# Allegro board FRDM-A-S32K356_PCBLayout.brd (continued)
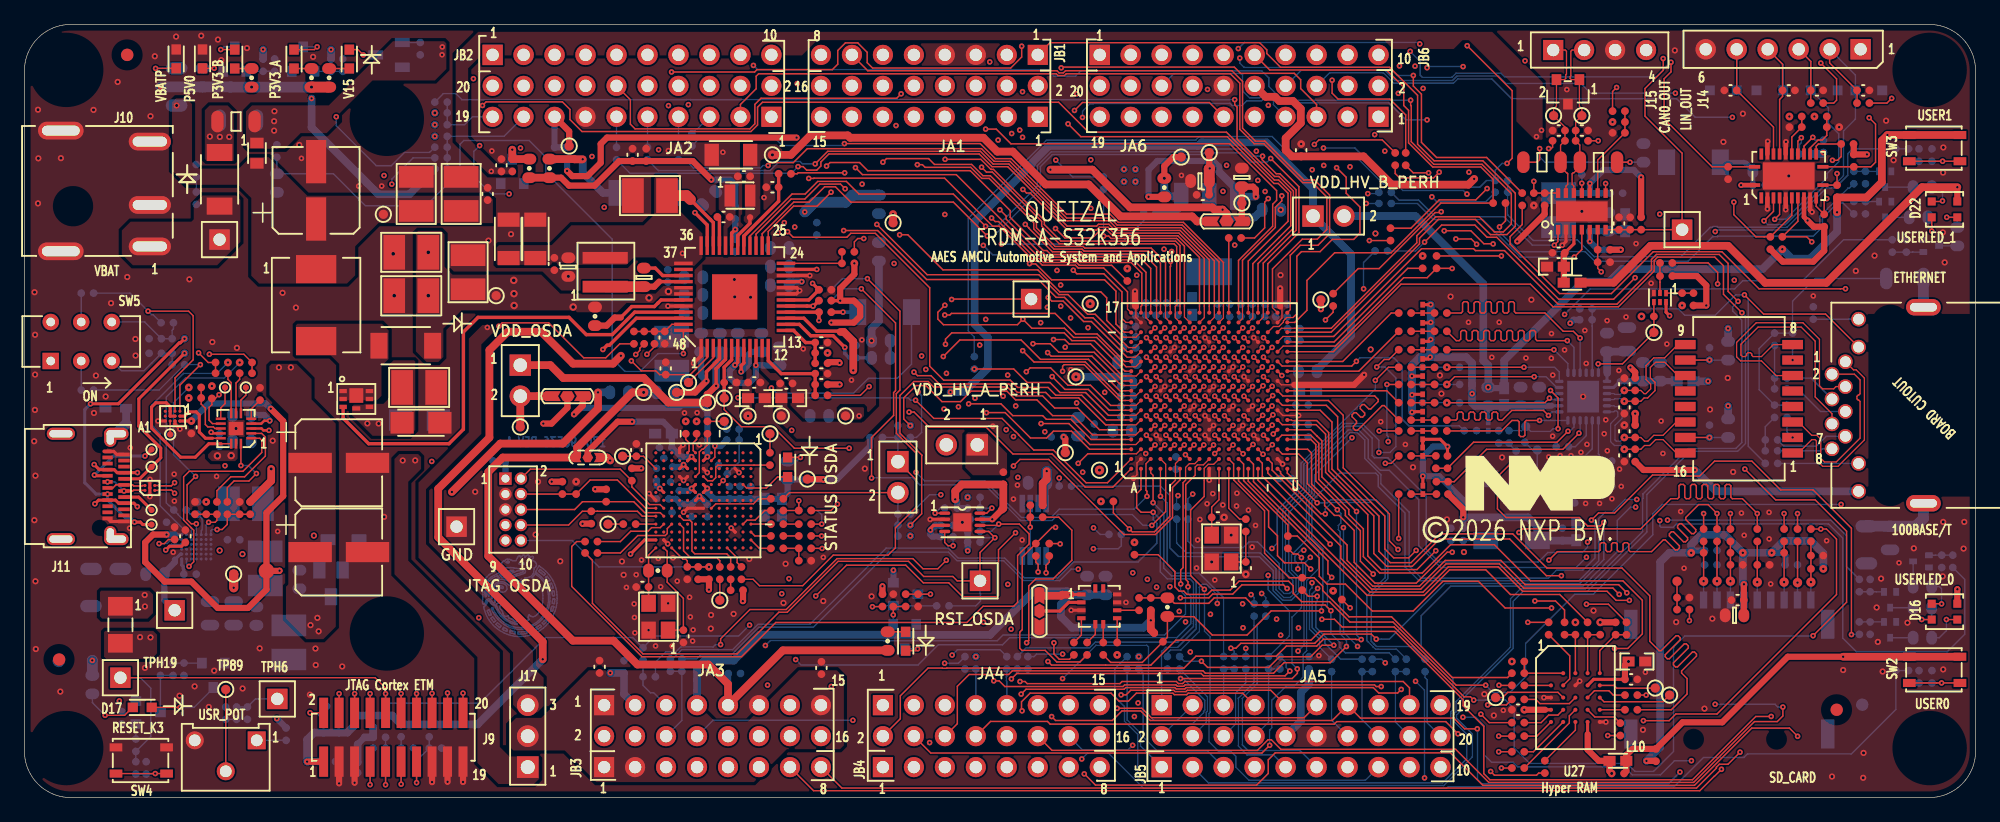
[diagram p0: board, top side]
## Routing (per net, layer and track width the routed paths; a pad name or vN(x,y) marks a point on that pad's centre or on a via; arc(x,y) is an arc through that point) (continued)
USER_SW0: length 96.5
  L3_INT_1 w0.127: v1(87.66,20.41) 87.66,17.55 88.23,16.97 88.23,12.83 86.96,11.56 86.96,3.43 v1(86.7,3.17)
  BOTTOM w0.118: R57.2 89.95,20.66 89.7,20.41 87.66,20.41 v1(87.66,20.41) ; v1(86.7,3.17) 87.18,3.65 88.88,3.65 91.76,0.76 116.62,0.76 116.74,0.88 135.27,0.88 137.68,3.29 141,3.29 141.29,3.58 149.81,3.58 153.46,7.23 C144.1 R343.2
USER_SW1: length 41.9
  BOTTOM w0.118: R76.1 R53.2 121.62,47.8 123.73,45.7 125.25,45.7 125.29,45.74 127.34,45.74 128.71,44.37 135.83,44.37 137.69,46.23 138.24,46.78 138.4,46.78 138.47,46.85 138.82,46.85 138.89,46.78 144.53,46.78 147.75,50 148.46,50 149.51,51.05 149.51,52.81 149.91,53.21 C147.1 R356.2
VBST_FB: length 8.1
  TOP w0.279: U1.43 52.21,40.82 51.94,40.56 51.94,40.56 51.66,40.28 49.8,40.28 48.9,39.38
  TOP w0.508: R20.2 47.74,38.72 48.4,39.38 48.9,39.38
VBST_G: length 40
  TOP w0.279: Q1.3 26.14,31.12 28.23,29.03 34.81,29.03 36,30.21 36,38.19 37.2,39.39 44.66,39.39 46.07,37.98 48.2,37.98 50.05,39.82 U1.45
VBST_ISH: length 7.7
  TOP w0.279: v1(47.43,36.75) 47.78,37.11 47.96,37.11 50.18,39.32 U1.46
  vias: v4(28.12,30.69) v4(29.05,30.68)
VLDO1_3V3: length 5.6
  BOTTOM w0.254: U3.A5 12.79,19.97 12.34,19.52
  BOTTOM w0.508: 12.34,19.52 12.34,19.32 11.47,18.46 C74.1 11.47,16.21 TPH23.1
VLDO_3V3: length 42.1
  TOP w0.254: U7.A3 13.68,30.89 v2(13.69,30.89)
  TOP w0.508: v2(11.66,21.58) 10.55,21.58 9.9,20.93 9.9,19.32 11.5,17.72 13.68,17.72 15.85,15.56 18.34,15.56 19.85,17.07 TP23.1 ; TP23.1 19.85,23.36 21.22,24.74 21.22,30.88 v1(20.2,31.9) ; TP23.1 20.9,18.6 v1(20.92,18.62)
  BOTTOM w0.254: 12.36,21.57 U3.A1
  BOTTOM w0.508: v2(13.69,30.89) 15.13,32.33 19.77,32.33 v1(20.2,31.9) ; v2(11.66,21.58) 12.35,21.58 12.36,21.57
VPRE_SW: length 6.6
  TOP w0.279: 52.05,42.32 U1.40
  TOP w0.508: 52.05,42.32 51.64,41.91 C19.2
  TOP w0.889: L2.1 C19.2
VRC_CTRL_MCU: length 8.4
  TOP w0.508: TP18.1 94.21,52.54 93.47,51.8 v3(93.47,50.8)
  BOTTOM w0.635: v3(93.47,50.8) 93.47,49.73 93.88,49.33 Q5.1 94.86,48.57 94.23,47.94 R79.1
VREFH_MCU: length 24
  TOP w0.127: U2.H6 v1(96,31.33)
  TOP w0.508: v1(63.32,54.14) 47.77,54.14 47.25,53.62 47.25,52.07 46.16,50.98 44.93,50.98 v1(44.5,51.41) ; v2(85.21,29.58) 85.35,29.44 TP132.1
  BOTTOM w0.508: v1(44.5,51.41) R404.1
VREG_OUT: length 17.5
  TOP w0.254: U8.G2 v1(56,27.96)
  TOP w0.508: SJ1.3 45.78,32.15 v1(45.07,31.44)
  BOTTOM w0.508: v1(45.07,31.44) 45.59,31.96 53.64,31.96 53.88,32.2 55.5,32.2 56,31.7 v1(56,27.96)
VSUP:
  vias: v1(38.29,51.37) v1(123.99,54.21) v1(124.4,54.74) v4(31.02,27.65) v4(32.05,27.66) v5(40.13,42.43) v5(40.15,41.33) v5(40.16,40.36) v5(45,40.24) v5(51.22,40.99) v5(52.81,41.52) v6(33.12,44.73) v6(33.12,41.17)
VTRG_FAULT_B: length 1.6
  TOP w0.118: R147.2 TP117.1
XI: length 2
  BOTTOM w0.118: Y3.3 C130.1 R248.2
XO: length 2.1
  BOTTOM w0.118: Y3.1 C129.1 R251.2
XTAL: length 5
  TOP w0.118: U2.L1 98.75,23.74 99.65,22.84 R80.1
N31247155: length 1.3
  BOTTOM w0.254: C72.1 13.07,18.71 13.02,18.77 13.02,18.96 12.9,19.08 U3.A6
N31247188: length 3.4
  TOP w0.254: C73.1 12.89,20.62 11.9,20.62 v1(11.59,20.31)
  BOTTOM w0.118: v1(11.59,20.31) 12.05,20.77 U3.A3
N31247252: length 3.4
  TOP w0.118: v1(11.05,20.83) 11.47,20.83 11.82,21.17 R86.2
  BOTTOM w0.118: U3.A2 12.54,21.17 12.43,21.06 11.93,21.06 11.71,20.83 v1(11.05,20.83)
N31247271: length 2.9
  BOTTOM w0.118: U3.E1 14.5,21.89 14.57,21.96 14.57,22.88 R88.2 13.62,23.24 R89.2
N31247503: length 1.8
  TOP w0.118: U4.5 18.6,31.88 R91.1
N31251642: length 1.2
  BOTTOM w0.118: C1.2 C9.1
N31251737: length 56.1
  TOP w0.118: v1(54.04,36.42) U1.48
  BOTTOM w0.118: R1.2 C10.1 25.33,51.17 27.96,48.55 32.92,48.55 35.72,51.35 35.72,53.59 36.02,53.9 41.39,53.9 42.75,52.54 42.75,51.26 48.2,45.81 48.2,36 49.23,34.97 50.49,34.97 51.95,36.42 v1(54.04,36.42)
N31252150: length 2.4
  TOP w0.118: v1(16.1,61.36) 16.66,61.36 16.67,61.35 D5.C
  BOTTOM w0.118: v1(16.1,61.36) 16.32,61.58 Q2.3
N31252152: length 3.1
  TOP w0.118: D18.C 23.78,61.35 v1(24,61.58)
  BOTTOM w0.118: Q13.3 v1(24,61.58)
N31252154: length 2.3
  TOP w0.118: v1(27.79,60.92) 27.35,61.35 D6.C
  BOTTOM w0.118: v1(27.79,60.92) 27.8,60.92 Q3.3
N31252156: length 2.3
  BOTTOM w0.118: R18.1 R14.2 Q2.1
N31252158: length 2.3
  BOTTOM w0.118: Q13.1 R441.2 R442.1
N31252160: length 2.4
  TOP w0.279: U1.21 v1(63.74,42.32)
  BOTTOM w0.508: v1(63.74,42.32) 63,42.32 C12.1
N31252218: length 1.5
  BOTTOM w0.118: Q3.1 R15.2
N31252222: length 3.1
  TOP w0.279: v1(58.29,46.6) 57.99,46.3 U1.31
  BOTTOM w0.508: C13.1 v1(58.29,46.6) R17.2
N31252562: length 7.1
  TOP w0.279: U1.29 58.99,46.07 61.84,48.92 C16.1 R21.2
N31252632: length 3.5
  TOP w0.279: U1.39 52.34,42.82 51.73,43.43 C19.1
N31252893: length 2.4
  TOP w0.279: C23.1 56.99,47.46 U1.33
N31252925: length 22.2
  TOP w0.118: TPH11.1 76.06,40.89 v1(76.03,40.86)
  TOP w0.279: v1(65.15,39.14) R732.2 U1.16
  L4_INT_2 w0.127: v1(76.03,40.86) 74.12,40.86 73.51,40.25 66.66,40.25 65.55,39.14 v1(65.15,39.14)
  BOTTOM w0.279: R732.2 v1(65.15,39.14)
N31253599: length 1.4
  BOTTOM w0.279: R32.1 R31.2
N31256137: length 19
  TOP w0.508: R47.2 92.19,49.28 v1(92.18,49.28) ; v1(100.97,49.3) 100.97,49.88 100.75,50.11 C64.1 TP19.1 SJ4.3
  BOTTOM w0.508: v1(92.18,49.28) 92.18,51.5 92.9,52.22 97.5,52.22 97.96,51.75 97.96,51.33
  BOTTOM w0.635: v1(100.97,49.3) 99.48,49.3 Q5.3 99.45,49.84 97.96,51.33
N31264311: length 0.9
  TOP w0.118: R97.2 R101.2
N31264493: length 1.7
  TOP w0.118: R98.1 U8.N10
N31264544: length 6
  TOP w0.118: U8.M10 52.14,22.15 51.43,22.15 51.13,21.85 49.71,21.85 48.87,21 R99.1
N31264574: length 7.3
  TOP w0.118: R100.1 48.87,20.07 50.3,21.5 52.55,21.5 52.71,21.66 52.71,22.07 U8.L10
N31264589: length 7.7
  TOP w0.118: U8.K9 54.06,22.76 54.57,22.76 54.74,22.58 54.74,20.23 54.97,20 57.6,20 57.91,19.68 R101.1
N31264611: length 6.1
  TOP w0.118: R102.1 57.02,19.43 56.78,19.67 54.63,19.67 54.05,20.25 54.05,22.11 U8.K10
N31265091: length 5.2
  TOP w0.118: U8.F8 56.69,24.1 59.77,24.1 60.19,24.51 R113.1
N31265119: length 2
  TOP w0.118: U8.D13 58.44,19.67 58.44,19.28 R114.1
N31265204: length 1.9
  TOP w0.118: R121.1 60.26,20.45 U8.A12
N31265256: length 1.8
  TOP w0.118: U8.A11 59.9,21.46 R125.1
N31265287: length 1.6
  TOP w0.118: R126.1 U8.A10
N31265321: length 2.7
  TOP w0.118: R127.1 60.71,23.55 59.92,22.76 59.25,22.76 U8.B10
N31265504: length 2.2
  TOP w0.118: v1(63.63,27.9) 63.63,27.9 D9.A
  BOTTOM w0.118: v1(63.63,27.9) 63.35,27.61 R129.2
N31265549: length 3.1
  TOP w0.118: TP44.1 C99.1 50.76,28 U8.N3
N31265761: length 2.5
  TOP w0.118: v1(76.15,20.66) 75.73,20.66 75.46,20.93 U10.4
  BOTTOM w0.118: v1(76.15,20.66) R131.2
N31265784: length 1.7
  TOP w0.118: U10.1 v1(74.67,23.33)
  BOTTOM w0.118: v1(74.67,23.33) 75.09,23.75 R133.2
N31265786: length 3
  TOP w0.118: U10.8 78.91,23.33 v1(79.33,23.75)
  BOTTOM w0.118: v1(79.33,23.75) R134.2 R135.1
N31265926: length 1.5
  TOP w0.118: R137.2 D10.A
N31265932: length 6.6
  TOP w0.118: R147.1 59.82,27.27 56.86,27.27 56.69,27.1 56.69,26.25 56.43,25.99 56.02,25.99 U8.G4
N31265953: length 4
  TOP w0.118: 56.01,29.84 56.01,28.93 55.65,28.57 55.56,28.57 55.34,28.36 55.34,26.65 U8.H4
N31266029: length 6.1
  TOP w0.118: v1(69.54,15.66) 69.55,15.67 R141.2
  BOTTOM w0.118: v1(69.54,15.66) 70.54,15.66 70.63,15.75 Q6.1 71.89,15.75 71.91,15.73 R142.2
N31266033: length 2.1
  TOP w0.118: D10.C 73.09,12.05 v1(73.24,12.2)
  BOTTOM w0.118: Q7.3 v1(73.24,12.2)
N31266043: length 3.1
  TOP w0.118: R143.1 R144.1 v1(74.3,16.69)
  BOTTOM w0.118: v1(74.3,16.69) Q6.3
N31266068: length 2.5
  TOP w0.118: R143.2 R145.1 v1(71.25,14.99)
  BOTTOM w0.118: Q7.1 v1(71.25,14.99)
N31272754: length 3.6
  BOTTOM w0.118: R198.2 R188.2 R193.1
N31272878: length 20.5
  BOTTOM w0.118: R205.2 R203.2 142.24,33.47 142.24,36.83 R193.2 R218.2 144.99,40.72 146.85,42.58 C116.1
N31273064: length 3
  BOTTOM w0.118: R203.1 142.75,30.42 R201.2 R204.2
N31273232: length 4.1
  BOTTOM w0.254: U14.1 129.77,34.82 129.78,34.83
  BOTTOM w0.635: C123.1 131.35,36.58 C122.1 129.77,35.69 129.78,35.67 129.78,34.83
N31273242: length 5.9
  BOTTOM w0.254: U14.2 130.31,33.64 130.83,34.16
  BOTTOM w0.508: L8.1 135.47,34.17 C125.1 C124.1 131.23,34.17 131.22,34.16 130.83,34.16
N31273886: length 6.6
  BOTTOM w0.118: R219.1 J7.10
N31274097: length 3.7
  BOTTOM w0.118: 146.69,39.24 149.61,39.24 J7.12
N31274392: length 3.1
  BOTTOM w0.118: R240.1 127.17,28.79 128.06,29.68 U14.9
N31274488: length 3.4
  BOTTOM w0.118: R251.1 129.15,28.11 129.06,28.19 U14.7
N31274490: length 5.4
  BOTTOM w0.118: R249.1 R248.1 128.56,28.61 U14.8
N31275038: length 1.7
  BOTTOM w0.118: R263.2 R267.2 121.74,29.01 R261.2
N31275110: length 2.9
  BOTTOM w0.118: R268.2 R264.2 Y4.1
N31281170: length 2.9
  TOP w0.118: D16.2 157.2,15.9 v1(157.21,15.89)
  BOTTOM w0.118: R320.1 157.03,17.31 157.21,17.13 v1(157.21,15.89)
N31281236: length 2.5
  TOP w0.118: D16.3 155.58,14.6 v1(155.57,14.61)
  BOTTOM w0.118: R321.1 156.4,14.82 156.18,14.61 v1(155.57,14.61)
N31281323: length 3.3
  TOP w0.118: v1(157.6,14.61) 157.61,14.6 D16.4
  BOTTOM w0.118: R322.1 157.03,13.11 157.6,13.69 v1(157.6,14.61)
N31281558: length 2
  BOTTOM w0.118: Q8.1 R335.1 R333.2
N31281745: length 2
  BOTTOM w0.118: Q9.1 151.86,16.88 151.85,16.88 R340.1 R338.2
N31281862: length 2
  BOTTOM w0.118: Q10.1 156.67,19.88 156.68,19.89 R342.1 R341.2
N31281949: length 6.9
  TOP w0.118: SW2.4 v1(157.21,9.41) SW2.3
  BOTTOM w0.118: v1(157.21,9.41) C143.1 R344.1 R343.1
N31282243: length 3.7
  TOP w0.118: J9.7 v1(28.35,1.06)
  BOTTOM w0.118: v1(28.35,1.06) R357.1 R350.2
N31282273: length 5.8
  TOP w0.118: v1(29.62,1.06) 29.62,1.06 J9.9
  BOTTOM w0.118: R351.2 R354.1 29.62,3.56 29.62,3.56 v1(29.62,1.06)
N31282311: length 5.7
  TOP w0.118: J9.11 30.89,1.11 v1(30.89,1.1)
  BOTTOM w0.118: R352.2 R355.1 30.89,3.56 30.89,3.55 v1(30.89,1.1)
N31282344: length 5.9
  TOP w0.118: J9.13 32.16,1.23 v1(32.16,1.23)
  BOTTOM w0.118: R353.2 R358.1 32.16,3.03 v1(32.16,1.23)
N31282387: length 6.9
  TOP w0.118: SW3.4 v1(157.29,52.2) SW3.3
  BOTTOM w0.118: v1(157.29,52.2) C146.1 R359.1 R356.1
N31282661: length 2.4
  BOTTOM w0.118: R363.1 R370.1
N31282673: length 5.8
  TOP w0.118: SW4.3 v1(10.73,1.97) SW4.4
  BOTTOM w0.118: R364.1 C148.1 10.69,1.93 v1(10.73,1.97)
N31282693: length 2.4
  BOTTOM w0.118: R362.2 Q11.1 9.14,5.47 9.14,5.46 R365.2
N31282697: length 5.8
  TOP w0.118: D17.C v1(12.76,7.4)
  BOTTOM w0.118: v1(12.76,7.4) 13.92,7.4 15.49,8.98 Q12.3
N31282741: length 4.1
  BOTTOM w0.118: Q11.3 R367.1 R366.1
N31282766: length 2.4
  BOTTOM w0.118: R366.2 R368.1 Q12.1
N31295854: length 9.6
  BOTTOM w0.118: JA2.17 39.33,54.24 R399.2 R400.2 R403.2 R396.2
N31295856: length 5.8
  BOTTOM w0.118: JA2.19 36.74,55.84 36.09,55.19 R401.2 R397.2 R398.2
N31295918: length 6.4
  TOP w0.508: TP90.1 44.67,54.65 JA2.15
  BOTTOM w0.508: R404.2 C151.1 JA2.15
N31295922: length 2.5
  BOTTOM w0.118: R405.2 JA2.11
N31295924: length 2.5
  BOTTOM w0.118: R406.2 JA2.9
N31295926: length 2.5
  BOTTOM w0.118: R407.2 JA2.7
N31295928: length 2
  BOTTOM w0.118: R409.2 55.09,54.82 55.15,54.82 JA2.5
N31296407: length 4.7
  BOTTOM w0.118: R413.2 R414.2 R412.2 80.56,9.95 80.52,9.91 80.52,9.57 80.56,9.53 JA4.9
N31296516: length 3.8
  BOTTOM w0.118: R416.1 R415.1 JA5.5
N31296560: length 3.9
  BOTTOM w0.118: R417.2 R418.2 JA4.7
N31296755: length 4.6
  BOTTOM w0.118: JA3.5 51.6,8.6 51.33,8.6 50.73,9.2 R420.2 R419.2
N31296976: length 6.7
  BOTTOM w0.118: R426.1 R421.1 109.68,6.39 JA5.16
N31296996: length 6.7
  BOTTOM w0.118: R425.1 R422.1 112.42,6.2 JA5.18
N31297028: length 6.8
  BOTTOM w0.118: R432.2 R430.2 53.91,6.34 JA3.6
N31297058: length 8
  BOTTOM w0.118: JA5.4 96.91,6.16 96.91,6.99 97,7.08 97,8.28 R431.1 R435.1
N31297060: length 6.3
  BOTTOM w0.118: R429.1 100.15,9.41 99.32,8.58 99.32,6.03 JA5.6
N31297062: length 6.9
  BOTTOM w0.118: R433.1 R428.1 102.02,6.19 JA5.8
N31297068: length 5.8
  BOTTOM w0.118: JA5.14 107.19,6.35 R427.1
N31297074: length 5.8
  BOTTOM w0.118: JA5.20 115.03,6.13 115.03,9.66 114.85,9.83 R424.1
N31332732: length 2.9
  TOP w0.635: R42.1 R40.2 v1(40.01,53.15)
  BOTTOM w0.635: v1(40.01,53.15) R40.2
N31332843: length 7.3
  TOP w0.635: R43.1 45.09,52.37 45.11,52.36 v1(45.78,52.36)
  BOTTOM w0.635: v1(45.78,52.36) 45.78,51.28 47.46,49.6 D20.C
N31354711: length 2.4
  BOTTOM w0.118: SW5.2 R452.1
N31354733: length 2.4
  BOTTOM w0.118: SW5.5 R453.1
N31355537: length 1.1
  TOP w0.118: U7.C3 TP28.1
N31929135: length 2.2
  TOP w0.279: R732.1 66.17,39.82 v1(67.13,39.82)
  BOTTOM w0.279: v1(67.13,39.82) 67.13,39.82 D21.C
N31945803: length 2.5
  TOP w0.118: R743.2 R734.2 134.11,42.28 U21.2
N31945805: length 2.2
  TOP w0.118: U21.1 R742.2 R735.2
N31948194: length 4.2
  TOP w0.118: R775.2 R777.1 U27.A4
N31948515: length 2.2
  TOP w0.118: U27.B1 R778.1
N31949063: length 4.8
  TOP w0.118: R783.2 R762.1 R757.2 v2(146.49,17.68)
  BOTTOM w0.118: v2(146.49,17.68) J16.9
N31949071: length 2.3
  TOP w0.118: TPAD44.1 R761.1 R769.2
N31950347: length 2.8
  TOP w0.118: D22.2 157.23,48.9 v1(157.28,48.95)
  BOTTOM w0.118: v1(157.28,48.95) 157.28,49.82 157.03,50.07 R784.1
N31950366: length 2.4
  TOP w0.118: D22.3 156.4,46.89 156.4,46.89 v1(156.4,46.47)
  BOTTOM w0.118: v1(156.4,46.47) 156.08,46.79 R785.1
N31950383: length 2.5
  TOP w0.118: v1(157.63,47.6) 157.63,47.6 D22.4
  BOTTOM w0.118: R786.1 158.5,47.46 158.35,47.6 v1(157.63,47.6)
N31950420: length 2.5
  BOTTOM w0.118: Q14.1 154.83,44.75 154.82,44.74 R788.1 R787.2
N31950474: length 2.1
  BOTTOM w0.118: R789.2 R790.1 Q15.1
N31950528: length 2.1
  BOTTOM w0.118: R791.2 R792.1 Q16.1
N31953697: length 18.2
  BOTTOM w0.118: R750.1 101.09,14.18 101.09,9.35 99.87,8.13 99.87,4.33 100.34,3.86 104.6,3.86 JB5.6
N31953719: length 15.8
  BOTTOM w0.118: JB5.5 102.42,3.5 100.26,3.5 99.54,4.22 99.54,8.15 100.83,9.43 100.83,14.11 R751.1
N31953748: length 13.3
  BOTTOM w0.118: JB5.3 97,3.84 92.88,3.84 91.73,4.98 91.73,10.2 R749.1
N31953777: length 9.2
  BOTTOM w0.118: JB5.1 91.51,4.24 91.51,5.27 90.42,6.36 R748.1
N32010443: length 3.7
  TOP w0.118: R80.2 C65.1 Y1.1
N32024378: length 5.9
  TOP w0.118: U27.C2 125.75,8.64 121.63,8.64 121.2,8.21 TPAD21.1
N32024380: length 6.1
  TOP w0.118: TPAD22.1 134.35,7.86 129.52,7.86 U27.C5
N32025708: length 4.6
  TOP w0.118: R781.1 R779.2 129.18,12.06 U27.A5
N32025830: length 4.2
  TOP w0.118: R780.2 R782.1 U27.A2
N32028274: length 4.7
  TOP w0.254: C111.1 127.06,45.43 U12.3
  TOP w0.508: C111.1 126.23,44.61 C110.1 126.23,43.55 126.23,42.25 L6.1
N32028320: length 12.3
  TOP w0.254: U12.5 128.36,45.63 v1(128.36,45.62)
  TOP w0.508: v1(122.41,45.62) 124.66,47.87 R172.1 ; v1(130.9,44.94) 130.89,44.94 R173.1
  BOTTOM w0.508: L7.1 C108.1 C109.1 128.36,45.63 v1(128.36,45.62) 129.04,44.94 v1(130.9,44.94)
  vias: v2(130.22,55.42)
N32028656: length 12.8
  TOP w0.118: v1(131.66,52.12) 131.65,52.12 R178.1 ; R176.2 124.05,52.12 124.25,52.32 v1(124.25,53.24)
  BOTTOM w0.118: v1(124.25,53.24) 124.25,52.55 124.68,52.12 R177.2 128.21,52.12 128.21,52.12 v1(131.66,52.12) 131.66,52.12 C112.1
N32028686: length 1.5
  TOP w0.118: U12.11 127.71,50.39 v1(127.7,50.4)
  BOTTOM w0.118: R177.1 127.7,51.1 v1(127.7,50.4)
N32132903: length 0.5
  TOP w0.127: U2.L5 v1(99.11,30.53)
N32204522: length 4.6
  TOP w0.118: TPAD20.1 133.71,8.99 133.7,8.98 130.57,8.98 130.34,9.21 U27.B5
N312518471: length 3.4
  TOP w0.118: D3.A 10.76,59.82 v1(10.76,59.81)
  BOTTOM w0.118: R8.2 11.32,59.82 11.32,59.81 v1(10.76,59.81)
N312825781: length 4.7
  TOP w0.118: v1(6.62,6.75) 8.21,6.75 8.86,7.4 D17.A
  BOTTOM w0.118: v1(6.62,6.75) 5.58,7.8 R361.2
N320402770: length 1.9
  TOP w0.118: D4.A 15.54,59.82 15.54,59.82 v1(15.56,59.82)
  BOTTOM w0.118: v1(15.56,59.82) 14.79,59.82 14.79,59.82 D4.A
N320404500: length 1.4
  TOP w0.118: D5.A R9.2
N320404720: length 1.4
  TOP w0.118: R440.2 D18.A
N320404960: length 1.7
  TOP w0.118: D6.A R10.2

## Copper pours and planes (outline as drawn; the poured copper is in the pictures)
GND on L2_GND_1: 151.21,24.69 159.51,24.69 159.51,3.81 158.54,1.48 156.21,0.51 3.81,0.51 1.48,1.48 0.51,3.81 0.51,59.61 1.48,61.95 3.81,62.92 156.21,62.92 158.54,61.95 159.51,59.61 159.51,39.67 151.21,39.67
GND on L5_PWR_1: 151.21,24.69 159.51,24.69 159.51,3.81 158.54,1.48 156.21,0.51 3.81,0.51 1.48,1.48 0.51,3.81 0.51,59.61 1.48,61.95 3.81,62.92 156.21,62.92 158.54,61.95 159.51,59.61 159.51,39.67 151.21,39.67 ; 4 cut-outs
GND_ENET on L4_INT_2: 151.33,24.69 157.05,24.69 157.23,24.51 157.23,23.75 156.08,22.61 150.43,22.61 146.81,26.23 146.81,38.86 149.73,41.78 156.46,41.78 157.23,41.02 157.23,40.13 156.97,39.88 151.26,39.88 151.13,39.75 151.13,24.89
P3V3_ENET on L4_INT_2: 135.66,25.11 141.14,30.59 141.14,38.33 138,41.46 137.93,41.46 136.4,42.99 116.23,42.99 113.89,40.65 113.89,38.58 113.92,38.56 113.92,31.33 117.13,28.12 120.16,28.12 125.7,33.66 129.52,33.66 130.89,32.29 130.89,25.19 130.97,25.11
P3V3_QSPI on L5_PWR_1: 130.64,14.83 125.18,14.83 121.9,11.55 121.9,5.81 125.81,1.89 130.83,1.89 131.86,2.92 131.86,13.62
P3V3_SDA on L5_PWR_1: 37.93,24.57 42.71,19.79 56.59,19.79 56.97,19.41 56.97,18.34 56.76,18.13 56.05,18.13 55.41,17.48 55.41,16.51 56.36,15.56 61.03,15.56 62.48,17.01 72.07,17.01 73.34,18.28 76.69,18.28 78.02,19.6 78.02,20.7 76.24,22.47 73.96,22.47 73.48,21.99 70.24,21.99 66.89,25.34 62.73,25.34 62.73,25.35 56.97,25.35 56.37,25.95 54.99,25.95 54.61,26.34 54.61,27.18 54.17,27.61 48.62,27.61 48.44,27.8 44.76,27.8 43.58,28.98 43.58,30.21 43.09,30.7 40.11,30.7 37.93,28.52
P5V0 on L5_PWR_1: 9.76,59.16 12.2,59.16 12.61,58.75 12.61,58.37 12.54,58.3 11.66,58.3 7.36,54 7.36,42.47 4.83,39.94 4.83,13.75 15.26,3.32 51.51,3.32 56.44,8.26 84.51,8.26 91.29,1.49 133.64,1.49 141.54,9.39 157.41,9.39 158.01,9.99 158.01,17.61 158.22,17.82 159.13,17.82 159.13,8.08 158.32,7.27 143.51,7.27 136.75,0.51 13.84,0.51 1.44,12.92 1.44,41.96 5.74,46.26 5.74,55.14
V11_MCU on BOTTOM: 99.24,36.28 93.51,36.28 91.87,34.64 90.8,34.64 90.49,34.33 90.49,29.73 90.6,29.62 92.87,29.62 95.81,32.56 99.24,32.56 99.83,33.15 99.83,35.69
V15_MCU on BOTTOM: 32.11,61.22 32.11,60.14 33.88,58.37 36.76,58.37 37.22,58.83 37.22,59.07 36.73,59.56 34.33,59.56 32.88,61.01 32.88,61.13 32.65,61.36 32.26,61.36
V15_MCU on L5_PWR_1: 84.66,53.3 84.66,51.35 84.42,51.1 40.25,51.1 36.65,54.7 36.65,59.23 36.97,59.55 41.71,59.55 45.04,56.22 81.74,56.22
V15_MCU_S32K on BOTTOM: 97.57,39.81 97.57,38.15 98.52,37.2 103.88,37.2 104.02,37.35 104.06,37.35 104.23,37.52 104.23,38.72 104.55,39.04 105.44,39.04 106.41,40.01 106.41,40.2 106.05,40.56 105.26,40.56 104.52,39.82 97.58,39.82
V15_MCU_S32K on L5_PWR_1: 95.52,34.05 94.41,34.05 94.09,33.73 94.09,33.16 94.66,32.58 97.51,32.58 97.91,32.98 97.91,34.46 97.76,34.61 97.76,36.62 99.49,38.35 100.85,38.35 101.69,37.51 101.69,33.63 101.27,33.21 99.95,33.21 99.76,33.02 99.76,31.42 99.92,31.26 101.22,31.26 102.72,29.76 104.32,29.76 105.53,30.97 105.53,31.54 105.52,31.55 105.52,32.62 107,34.1 107,47.58 105.61,48.97 96.6,48.97 95.17,47.54 95.17,40.64 97.28,38.52 97.28,36.68 95.79,35.18 95.79,34.34 95.8,34.33
V25_MCU on BOTTOM: 98.12,32.48 97.24,32.48 96.61,31.85 96.61,30.32 94.46,28.18 87.82,28.18 87.46,27.82 87.46,26.93 87.8,26.59 90.8,26.59 91.77,27.56 95.4,27.56 98.19,30.35 98.19,32.41
VBAT on TOP: 7.99,46.52 7.99,44.57 8.9,43.66 15.8,43.66 17.71,45.57 17.71,49.05 17.36,49.39 14.61,49.39 13.89,48.68 13.89,47.44 13.7,47.24 8.71,47.24
VBAT on BOTTOM: 13.64,48.79 13.64,45.56 14.67,44.53 16.33,44.53 17.16,45.36 17.16,47.78 16.01,48.92 13.77,48.92
VBATP on TOP: 38.1,38.76 37.55,38.76 36.45,37.66 36.45,29.97 32.32,25.84 32.32,19.67 40.07,11.92 40.07,8.5 40.07,7.61 40.68,6.99 42.07,6.99 42.58,7.5 42.58,9.83 41.7,10.7 41.7,12.02 32.93,20.79 32.93,25.3 37.47,29.83 37.47,37.17 38.45,38.15 38.45,38.41
VBATP on TOP: 18.17,56.29 18.17,53.44 18.39,53.22 20.98,53.22 20.98,53.22 21.37,53.22 22.65,54.5 24.77,54.5 25.79,55.52 25.79,56.07 28.54,58.82 33.66,58.82 34.6,59.76 34.6,61.87 34.42,62.04 30.22,62.04 24.96,56.78 18.66,56.78
VBATP on BOTTOM: 18.17,56.29 18.17,46.43 26.93,37.67 38.36,37.67 38.53,37.84 38.53,44.4 36.75,46.17 22.61,46.17 19.57,49.21 19.57,52.67 20.12,53.22 20.98,53.22 21.3,53.54 21.3,56.21 20.73,56.78 18.66,56.78
VBATP on BOTTOM: 33.72,61.88 33.72,61.02 34.05,60.69 35.09,60.69 36.6,62.2 119.8,62.2 122.49,59.51 123.37,59.51 123.71,59.85 123.71,61.12 121.97,62.87 34.71,62.87
VBATP on L4_INT_2: 122.13,58.82 123.08,57.88 149.19,57.88 151.83,60.53 151.83,62.28 151.61,62.5 140.95,62.5 138.52,60.08 133.35,60.08 131.47,61.95 122.65,61.95 122.13,61.43 122.13,60.99
VBATP_SW on TOP: 38.1,49.37 23.19,49.37 20.03,52.54 18.53,52.54 17.59,51.59 14.3,51.59 13.74,52.15 13.74,56.9 13.28,57.36 12.44,57.36 12.1,57.02 12.1,51.44 13.28,50.27 17.51,50.27 18.6,49.18 18.6,42.81 19.25,42.17 26.45,42.17 27.12,42.84 27.12,45.22 29.03,47.12 38.42,47.12 38.42,49.05
VBUS_C on BOTTOM: 4.04,19.36 4.04,17.84 4.13,17.75 8.45,17.75 10.58,19.89 10.58,23.49 9.98,24.09 9.98,26.86 9.63,27.2 8.9,27.2 8.59,26.89 8.59,23.51 9.56,22.54 9.56,21.56 8.13,20.13 4.62,20.13 4.04,19.56 4.04,19.36
VBUS_C on L5_PWR_1: 9.9,23.86 9.19,23.15 6.02,23.15 5.35,23.82 5.35,27.57 5.57,27.78 9.46,27.78 9.9,27.34
VBUS_IN on TOP: 21.64,17.49 21.45,17.3 21.45,14.67 23.12,12.99 24.5,12.99 25.54,14.02 25.54,28.33 25.53,28.34 25.53,30.68 23.54,32.66 23.54,34.34 22.3,35.58 20.27,35.58 20.09,35.4 20.09,33.02 21.64,31.47
VBUS_IN on TOP: 14.79,56.38 14.79,52.38 14.94,52.24 17.17,52.24 17.17,52.24 17.17,56.27 16.66,56.78 15.19,56.78
VBUS_IN on BOTTOM: 14.79,56.38 14.79,51.82 15.13,51.48 16.68,51.48 17.17,51.97 17.17,56.27 16.66,56.78 15.19,56.78
VBUS_IN on BOTTOM: 14.57,13.59 14.91,13.26 24.1,13.26 24.6,13.75 24.6,14.8 24.37,15.03 20.07,15.03 19.69,14.65 16.5,14.65 16.35,14.8 14.82,14.8 14.57,14.56
VBUS_IN on L5_PWR_1: 14.09,39.73 16.47,37.35 18.31,37.35 21.01,34.65 21.71,34.65 22.19,35.13 22.19,38.74 19.4,41.53 19.4,54.43 18.76,55.07 15.54,55.07 15.52,55.09 14.95,55.09 14.09,54.23
VDD_HV_A on TOP: 77.16,29.75 77.16,27.06 77.77,26.44 80.52,26.44 80.58,26.5 80.58,28.24 78.86,29.96 77.37,29.96
VDD_HV_A on BOTTOM: 89.94,36.41 80.97,36.41 77.12,32.56 77.12,28.63 77.59,28.16 78.69,28.16 79.1,28.56 83.81,28.56 84.46,29.21 84.46,30.95 83.98,31.42 83.98,34.54 84.82,35.38 89.67,35.38 90.01,35.72 90.01,36.33
VDD_HV_A on BOTTOM: 71.5,48.33 65.61,48.33 64.62,47.35 64.62,46.99 64.82,46.8 67.96,46.8 69.66,45.09 69.66,45.05 71,45.05 71.66,45.71 71.66,48.17
VDD_HV_A on L5_PWR_1: 78.92,28.58 78.64,28.3 78.18,28.3 76.6,29.89 76.6,32.25 77.23,32.88 77.23,35.61 77.01,35.83 75.32,35.83 70.36,40.8 67.82,40.8 65.24,38.22 65.24,34.09 62.23,31.08 49.03,31.08 47.18,32.93 47.18,35.42 48.1,36.34 51.28,36.34 54.92,32.71 59.05,32.71 61.41,35.08 61.41,46.82 63.54,48.95 74.9,48.95 77.37,46.48 77.37,38.44 78.92,36.89 78.92,30.52
VDD_HV_A_MCU on BOTTOM: 96.12,39.98 91.31,39.98 90.81,39.49 90.81,35.38 91.14,35.06 91.48,35.06 92.13,35.71 92.13,37.02 92.5,37.39 95,37.39 96.57,38.96 96.57,39.53
VDD_HV_A_MCU on L5_PWR_1: 101.38,37.37 101.38,33.54 101.13,33.54 100.98,33.38 99.87,33.38 99.49,33 99.49,31.26 99.65,31.09 100.61,31.09 100.61,31.09 100.96,31.09 101.23,30.82 101.23,30.51 100.52,29.8 93.6,29.8 86.7,36.69 86.7,40.67 87.45,41.42 93.99,41.42 97.06,38.34 97.06,36.93 95.54,35.4 95.54,34.19 95.51,34.16 94.22,34.16 93.92,33.86 93.92,33.11 94.59,32.44 97.97,32.44 98.09,32.57 98.09,34.72 98.08,34.73 98.08,36.5 99.74,38.17 100.58,38.17
VDD_HV_A_PERH on BOTTOM: 76.36,28.07 76.36,30.61 75.18,31.8 75.18,33.03 76.72,34.58 76.72,47.69 83.32,54.29 95.9,54.29 96.09,54.48 109.12,54.48 113.09,50.51 118.88,50.51 124.46,56.09 135.04,56.09 136.72,54.41 136.72,50.39 134.76,48.43 131.62,48.43 131.61,48.45 130.95,48.45 130.67,48.16 130.67,47.53 130.97,47.23 135.04,47.23 138.01,50.2 138.01,54.53 135.6,56.94 124.1,56.94 119.92,52.76 113.46,52.76 110.58,55.64 82.38,55.64 75.27,48.52 75.27,34.76 74.38,33.87 74.38,28.32 75.05,27.65 75.94,27.65
VDD_HV_A_PERH on BOTTOM: 9.69,8.5 7.44,8.5 7.22,8.27 7.22,7.04 7.53,6.73 9.38,6.73 9.94,7.29 9.94,8.24
VDD_HV_A_PERH on L4_INT_2: 133.4,48.31 133.4,47.39 135.17,45.63 142.64,45.63 143.22,46.21 145.26,46.21 145.84,45.63 149.89,45.63 151.79,47.53 151.79,54.3 148.83,57.26 143.22,57.26 142.17,56.21 142.17,53.74 143.89,52.01 147,52.01 147.63,52.64 147.63,53.05 146.79,53.9 145.62,53.9 145.39,54.12 145.39,55.64 146.44,56.69 147.67,56.69 150.54,53.83 150.54,48.82 148.81,47.09 147.63,47.09 146.24,48.48 133.57,48.48
VDD_HV_A_PERH on L5_PWR_1: 91.3,4.13 104.65,4.13 104.91,4.39 104.91,5.4 99.76,10.55 88.36,10.55 81.4,17.5 81.4,24.42 75.97,29.86 74.95,29.86 74.72,29.63 74.72,26.86 78.89,22.69 78.89,18.56 72.46,12.14 48.1,12.14 34.87,25.36 29.94,25.36 21.21,34.09 17.72,34.09 12.96,38.84 12.96,54.29 14.97,56.3 22.7,56.3 25.91,53.09 33.31,53.09 34.16,53.93 34.16,59.5 32.27,61.39 25.08,61.39 22.66,58.98 14.41,58.98 9.81,54.37 9.81,38.05 17.62,30.24 22.23,30.24 43.03,9.43 86,9.43
VDD_HV_B on TOP: 66.86,31.14 66.99,31.01 68.56,31.01 68.84,31.3 68.84,31.95 68.76,32.03 67,32.03 66.86,31.89
VDD_HV_B on BOTTOM: 65.5,32.03 65.5,30.79 65.75,30.53 68.45,30.53 69,31.08 69,31.65 68.55,32.1 65.57,32.1
VDD_HV_B on L5_PWR_1: 68.12,33.07 68.12,31.15 68.63,30.64 73.94,30.64 76.34,33.04 76.34,34.09 75.68,34.75 69.8,34.75
VDD_HV_B_MCU on BOTTOM: 99.67,30.92 99.67,28.51 100.19,27.98 102.44,27.98 103.64,26.78 103.64,25.78 103.73,25.7 104.21,25.7 104.66,26.15 104.66,32.49 105.02,32.85 105.02,35.24 104.97,35.29 108.17,38.49 108.17,42.77 104.36,46.58 99.17,46.58 97.8,47.95 97.8,51.43 97.41,51.82 96.81,51.82 96.06,51.06 96.06,47.24 95.2,46.38 95.2,43.47 95.74,42.93 104.77,42.93 107.09,40.61 107.09,38.89 104.97,36.78 102.76,36.78 100.25,34.26 100.25,31.5
VDD_HV_B_PERH on L5_PWR_1: 84.43,20.64 84.43,17.25 85.91,15.77 86.75,15.77 87.07,16.09 87.07,30.08 85.01,32.14 85.01,44.81 88.82,48.61 88.82,57.3 92.98,61.47 131.95,61.47 138.24,55.18 147.69,55.18 147.69,58.21 143.1,62.8 19.51,62.8 18.91,62.2 18.91,61.14 19.58,60.47 21.09,60.47 22.29,61.67 33.13,61.67 34.35,60.46 43.29,60.46 45.9,57.85 84.78,57.85 85.56,57.07 85.56,50.42 78.08,42.95 78.08,39.14 79.71,37.51 79.71,29.22 84.75,24.19 84.75,20.96
(no net) on TOP: 0.51,59.61 1.48,61.95 3.81,62.92 156.21,62.92 158.54,61.95 159.51,59.61 159.51,39.67 151.21,39.67 151.21,24.69 159.51,24.69 159.51,3.81 158.54,1.48 156.21,0.51 3.81,0.51 1.48,1.48 0.51,3.81 ; 245 cut-outs
(no net) on BOTTOM: 0.51,59.61 1.48,61.95 3.81,62.92 156.21,62.92 158.54,61.95 159.51,59.61 159.51,39.67 151.21,39.67 151.21,24.69 159.51,24.69 159.51,3.81 158.54,1.48 156.21,0.51 3.81,0.51 1.48,1.48 0.51,3.81 ; 147 cut-outs
(no net) on L3_INT_1: 159.51,39.67 151.21,39.67 151.21,24.69 159.51,24.69 159.51,3.81 158.54,1.48 156.21,0.51 3.81,0.51 1.48,1.48 0.51,3.81 0.51,59.61 1.48,61.95 3.81,62.92 156.21,62.92 158.54,61.95 159.51,59.61 ; 246 cut-outs
(no net) on L4_INT_2: 0.51,59.61 1.48,61.95 3.81,62.92 156.21,62.92 158.54,61.95 159.51,59.61 159.51,39.67 151.21,39.67 151.21,24.69 159.51,24.69 159.51,3.81 158.54,1.48 156.21,0.51 3.81,0.51 1.48,1.48 0.51,3.81 ; 129 cut-outs
EXTVBAT on TOP: 66.61,10.44 63.51,10.44 59.3,6.24 56.63,6.24 55.21,7.66 55.21,10.25 55.02,10.44 46.28,10.44 42.38,6.54 40.32,6.54 39.75,5.97 39.75,4.21 40.1,3.87 44.3,3.87 46.9,1.27 59.82,1.27 62.52,3.97 66.89,3.97 67.2,4.28 67.2,9.86
FS26_VBOS on BOTTOM: 52.3,50.91 52.3,48.68 53.16,47.83 55.5,47.83 55.95,48.29 55.95,49.43 55.41,49.97 54.18,49.97 54.05,50.1 54.05,50.94 53.8,51.19 52.59,51.19
FS26_VCORE on TOP: 58.93,53.55 58.93,51.38 59.11,51.2 59.11,47.76 58.98,47.63 58.98,47.31 59.18,47.11 59.53,47.11 60.35,47.93 60.35,52.2 60.55,52.4 61.79,52.4 62.14,52.76 62.14,53.14 61.68,53.6 58.97,53.6
FS26_VCORE on BOTTOM: 58.91,53.61 58.91,52.27 59.14,52.04 60.32,52.04 60.66,52.38 68.35,52.38 72.02,48.72 72.02,43.9 70.75,42.63 70.75,38.84 71.52,38.07 71.52,35.67 71.13,35.28 67.76,35.28 67.6,35.11 67.6,34.82 67.89,34.53 71.37,34.53 72.38,35.54 72.38,38.24 71.67,38.96 71.67,41.54 72.97,42.84 72.97,49.46 69.19,53.24 61.68,53.24 61.66,53.23 61.56,53.23 60.99,53.8 59.1,53.8
FS26_VDDIO on BOTTOM: 65.79,39.95 65.79,34.06 66.29,33.56 66.83,33.56 67.11,33.84 67.11,36.07 66.6,36.58 66.6,39.88 66.39,40.09 65.92,40.09
FS26_VDDIO on BOTTOM: 66.08,46.43 63.27,46.43 62.32,45.49 62.32,43.59 62.81,43.1 67.99,43.1 68.42,43.53 68.42,44.09
FS26_VLDO1 on TOP: 61.66,34.13 61.66,31.11 63.33,29.44 68.77,29.44 71.06,31.73 71.06,37.98 70.39,38.64 69.38,38.64 69.15,38.41 69.15,35.82 70.09,34.88 70.09,32.12 68.81,30.84 63.78,30.84 62.69,31.92 62.69,31.94 62.56,32.07 62.56,33.87 61.61,34.82 61.16,34.82 60.61,35.37 60.61,37.47 60.56,37.52 60.39,37.52 60.36,37.49 60.36,35.08 61.21,34.23 61.57,34.23
FS26_VLDO2 on TOP: 59.37,37.52 59.37,35.56 59.19,35.38 59.19,34.27 58.87,33.94 58.87,31.22 59.03,31.05 59.56,31.05 59.65,31.14 59.65,35.06 59.51,35.2 59.51,35.46 59.65,35.6 59.65,37.49 59.57,37.58 59.42,37.58
FS26_VLDO2 on BOTTOM: 64.83,31.05 64.41,30.63 59.08,30.63 58.74,30.97 58.74,31.53 59.26,32.05 64.67,32.05 64.83,31.89
FS26_VPRE on TOP: 55.6,46.27 55.6,44.28 54.89,43.58 52.45,43.58 51.71,44.31 49.99,44.31 49.37,43.7 45.33,43.7 45.16,43.87 43.99,43.87 43.82,43.7 38.79,43.7 38.72,43.77 38.72,45.12 38.91,45.31 43.23,45.31 44.86,46.95 50.77,46.95 51.64,47.82 51.64,50.78 51.81,50.94 53.44,50.94 53.64,50.75 53.64,48.23
FS26_VPRE on L5_PWR_1: 53.64,45.23 53.64,37.43 56.6,34.47 58.94,34.47 59.85,35.38 59.85,41.37 55.86,45.37 53.77,45.37
FS26_VTRK1 on BOTTOM: 16.19,22.29 16.19,21.45 16.05,21.31 14.04,21.31 13.93,21.2 13.93,20.79 14.15,20.56 15.26,20.56 15.57,20.87 16.8,20.87 16.89,20.97 16.89,21.71 17.72,22.55 17.72,26.71 16.96,27.47 15.76,27.47 15.33,27.9 15.33,29.45 15.41,29.53 16.1,29.53 16.25,29.69 16.25,30.15 16.16,30.25 14.7,30.25 13.93,29.48 13.93,27.55 15.47,26.01 15.47,23.02
FS26_VTRK1 on L4_INT_2: 14.98,26.73 16.39,26.73 17.63,27.97 17.63,30.53 19.45,32.35 54.9,32.35 57.61,29.64 63.63,29.64 63.92,29.93 63.92,31.17 63.32,31.77 57.97,31.77 57.51,32.23 57.51,33.85 56.61,34.74 43.56,34.74 42.49,35.82 18.2,35.82 14.03,31.64 14.03,27.68
FS26_VTRK2 on BOTTOM: 13.18,33.02 13.18,32.52 13.51,32.2 14.44,32.2 15.32,33.08 19.82,33.08 20.59,32.31 20.59,30.63 20.34,30.38 18.97,30.38 18.49,29.91 18.49,28.69 22.29,24.89 33.26,24.89 35,26.63 35,27.83 34.78,28.06 23.82,28.06 23.6,28.28 23.6,31.9 21.33,34.17 14.33,34.17
FS26_VTRK2 on L5_PWR_1: 42.46,35.25 42.46,34.33 36.97,28.85 36.97,27.76 35.88,26.66 33.34,26.66 33.11,26.89 33.11,32.16 34.22,33.27 36.95,33.27 39.76,36.08 41.63,36.08
USB1_VBUS_IN on BOTTOM: 15.34,19.7 13.62,19.7 13.56,19.64 13.56,19.55 13.71,19.39 13.8,19.39 13.86,19.34 13.86,16.34 14.56,15.64 17.69,15.64 18.06,16.01 18.06,16.99 17.08,17.97 16.06,17.97 15.45,18.59 15.45,19.59
USB_CHASSIS on L2_GND_1: 6.04,28.96 8.19,28.96 9,29.78 9,30.24 8.27,30.97 2.15,30.97 1.48,30.3 1.48,20.21 2.22,19.47 7.77,19.47 9,20.71 9,21.09 7.85,22.24 6.42,22.24 5.26,23.41 5.26,28.18
USB_VBUS on BOTTOM: 4.88,16.19 4.88,14.62 7.63,11.87 16.38,11.87 16.91,11.87 19.57,9.21 31.77,9.21 34.08,11.53 34.08,22.34 36.08,24.34 36.08,25.51 35.97,25.62 34.63,25.62 32.33,23.32 32.33,12.28 30.11,10.07 20.03,10.07 17.18,12.92 8.53,12.92 6.47,14.98 6.47,16.18 6.25,16.4 5.09,16.4
USBC_VBUS on TOP: 6.2,16.87 6.2,14.86 6.37,14.68 10.1,14.68 10.54,15.13 10.54,16.66 10.23,16.98 6.3,16.98
USBC_VBUS on BOTTOM: 7.38,14.68 10.1,14.68 10.54,15.13 10.54,16.66 10.23,16.98 7.34,16.98 7.01,16.66 7.01,15.05
USBC_VBUS_F on TOP: 6.53,13.57 6.53,11.56 6.71,11.39 10.43,11.39 10.88,11.83 10.88,13.37 10.57,13.68 6.64,13.68
USBC_VBUS_F on TOP: 17.26,29.41 17.26,28.67 17.07,28.48 15.39,28.48 15.06,28.15 15.06,27.9 15.36,27.6 17.28,27.6 17.48,27.8 17.48,29.39 17.45,29.43 17.28,29.43
USBC_VBUS_F on BOTTOM: 13.59,21.24 13.59,19.93 13.67,19.86 15.54,19.86 16.01,19.38 22.33,19.38 23.11,20.16 25.6,20.16 25.94,20.5 25.94,21.77 25.83,21.87 22.18,21.87 21.44,21.13 18.37,21.13 17.91,20.67 15.58,20.67 15.38,20.47 13.99,20.47 13.8,20.66 13.8,21.26 13.77,21.29 13.64,21.29
USBC_VBUS_F on L3_INT_1: 17.53,29.42 17.53,27.86 17.28,27.61 15.29,27.61 15.03,27.87 15.03,28.11 15.44,28.52 16.49,28.52 16.83,28.85 16.83,29.43 16.99,29.59 17.36,29.59
USBC_VBUS_F on L5_PWR_1: 6.81,12.3 7.35,11.76 15.63,11.76 21.41,17.54 28.06,17.54 29.49,18.97 29.49,22.05 23.08,28.45 13.31,28.45 11.58,26.73 11.58,22.45 6.81,17.67
VBST_FE_LS on TOP: 25.87,32.59 28.92,32.59 29.28,32.96 29.28,35.4 29.87,35.98 29.87,38.32 29.31,38.87 22.39,38.87 22.26,38.74 22.26,36.33 22.32,36.27 25.11,36.27 25.82,35.57 25.82,32.65
VBST_ISH on TOP: 26.87,32.09 26.87,31.36 28.55,29.68 31.57,29.68 32.05,30.16 32.05,35.77 31.96,35.87 30.27,35.87 29.89,35.49 29.89,32.75 29.44,32.3 27.08,32.3
VBST_ISH on BOTTOM: 32.07,30.2 31.51,29.64 28.66,29.64 27.83,30.48 27.83,33.11 31.06,36.35 44.45,36.35 45.25,37.15 47.46,37.15 47.74,36.86 47.74,36.04 45.8,34.09 33.33,34.09 32.04,32.8 32.04,32.2 32.07,32.17
VCORE_SW on TOP: 57.39,47.8 57.39,46.94 57.32,46.88 57.32,44.65 57.43,44.55 57.58,44.55 57.65,44.62 57.65,46.69 58.31,47.34 58.31,50.24 57.97,50.59 57.36,50.59 56.94,50.17 56.94,48.25
VLDO_3V3 on BOTTOM: 24.82,19.41 23.09,19.41 22.79,19.11 20.83,19.11 20.64,18.92 20.64,18.38 20.81,18.21 23.13,18.21 23.45,17.9 24.63,17.9 24.93,18.2 24.93,19.3
VREFH_MCU on BOTTOM: 63.05,54.76 70.62,54.76 74.77,50.61 74.77,34.75 74.22,34.19 74.22,28.08 74.85,27.45 79.5,27.45 80.42,28.37 83.65,28.37 83.67,28.35 84.3,28.35 84.91,28.96 84.91,29.04 84.9,29.05 84.9,29.74 85.02,29.86 88.24,29.86 88.74,29.36 93.08,29.36 95.87,32.15 96.22,32.15 96.41,31.96 96.41,30.98 93.9,28.47 85.5,28.47 85.49,28.45 85.24,28.45 84.29,27.49 81.16,27.49 80.1,26.44 74.88,26.44 73.48,27.85 73.48,29.46 73.73,29.71 73.73,49.38 69.84,53.26 69.35,53.75 69.35,53.75 69.15,53.95 64.42,53.95 64.27,53.81 62.96,53.81 62.73,54.04 62.73,54.43
VSUP on TOP: 32.29,46.49 34.17,46.49 34.45,46.2 34.45,43.55 35.11,42.89 42.38,42.89 43.93,41.34 51.75,41.34 52.22,41.81 52.23,41.81 52.39,41.97 54.81,41.97 54.83,41.94 54.83,41.18 54.81,41.15 53.75,41.15 53.74,41.14 52.12,41.14 51.56,40.58 49.38,40.58 48.61,39.81 45.31,39.81 45.16,39.96 35.85,39.96 34.35,38.47 34.35,36.13 33.94,35.72 32.98,35.72 32.1,36.6 32.1,46.3
VSUP on TOP: 40.2,51.13 38.08,51.13 35.36,53.85 35.36,60.96 37.22,62.82 120.35,62.82 124.49,58.67 124.49,54.02 124.43,53.96 123.84,53.96 122.34,55.47 122.34,58.23 118.44,62.12 117.92,62.12 117.21,61.41 112.22,61.41 111.5,62.12 65.01,62.12 63.76,60.88 37.45,60.88 36.39,59.82 36.39,54.1 38.8,51.69 40.14,51.69 40.2,51.63
VSUP on TOP: 42.21,3.18 42.21,1.54 41.78,1.11 38.88,1.11 37.14,2.85 37.14,11.52 30.34,18.32 30.34,27.77 30.75,28.18 32.28,28.18 32.53,27.94 32.53,26.96 31.47,25.9 31.47,19.44 38.98,11.93 38.98,4.16 39.77,3.37 42.02,3.37
VSUP on BOTTOM: 130.9,50.09 130.9,49.3 131.27,48.94 134.74,48.94 135.97,50.16 135.97,54.25 134.38,55.83 125.07,55.83 123.68,54.44 123.68,54.05 123.76,53.97 130.84,53.97 131.19,54.33 133.6,54.33 133.91,54.02 133.91,50.49 133.56,50.14 130.95,50.14
VSUP on BOTTOM: 54.37,43.09 54.37,37.58 54.02,37.23 49.4,37.23 48.99,37.64 48.99,45.68 49.4,46.09 51.46,46.09 51.91,45.64 51.91,43.01 52.24,42.68 53.11,42.68 53.68,43.26 54.26,43.26 54.37,43.15
VSUP on L3_INT_1: 54.84,45.82 54.84,40.31 53.53,39 40.8,39 39.26,40.54 39.26,44.96 40.77,46.47 54.2,46.47
VSUP on L5_PWR_1: 36.73,33.76 33.04,33.76 32.48,33.21 32.48,26.57 32.01,26.09 30.36,26.09 23.61,32.85 23.61,34.77 23.65,34.81 23.65,49.59 25.89,51.83 37.98,51.83 37.99,51.82 38.68,51.82 40.82,49.68 48.14,49.68 53.14,44.69 53.14,40.27 50.06,37.19 40.15,37.19
N31247625 on BOTTOM: 26.75,21.62 26.75,20.04 26.22,19.51 25.61,19.51 25.34,19.24 25.34,17.86 25.42,17.78 27.06,17.78 27.77,18.49 27.77,20.45 28.15,20.83 28.15,21.67 28.02,21.81 26.94,21.81
N32028320 on L5_PWR_1: 122.15,50.15 122.15,44.24 123.44,42.96 128.83,42.96 131.03,45.15 131.03,55.29 130.54,55.77 127.77,55.77
N32132903 on BOTTOM: 98.68,30.89 98.4,30.62 98.4,26.74 99.67,25.48 102.88,25.48 103.32,25.92 103.32,26.38 102.26,27.43 100.1,27.43 99.46,28.08 99.46,30.65 99.46,30.65 99.46,30.8 99.36,30.89

## Text on the board
BOTTOM: 170-96536 REV A | 09 | L6_SS
Board Geometry/Soldermask Bottom: 12 | SECONDARY SOLDERMASK
Ref Des/Silkscreen Bottom: 1 | 700 | SCH | S/N | 8 | 13 | SECONDARY SILKSCREEN
User.Comments: 1 OF 1 | TEST PROBE | 1/1 | 1
TOP: 04 | L1_PS
Board Geometry/Soldermask Top: 03 | PRIMARY SOLDERMASK
Ref Des/Silkscreen Top: 1 | J11 | ON | VBAT | D17 | J10 | SW5 | RESET_K3 | SW4 | TPH19 | USR_POT | TP89 | TPH6 | 2 | JTAG Cortex ETM | 19 | 20 | JB2 | J9 | J17 | 3 | 10 | 16 | 8 | 15 | AAES AMCU Automotive System and Applications | Hyper RAM | U27 | L10 | 4 | 6 | SD_CARD | ETHERNET | 100BASE/T | USERLED_0 | USERLED_1 | USER0 | USER1 | VBATP | P5V0 | P3V3_B | P3V3_A | V15 | JB3 | JB4 | JB1 | JB5 | JB6 | J15 | CAN0_OUT | LIN_OUT | J14 | SW3 | SW2 | D22 | D16 | JA2 | JA3 | JA1 | JA4 | JA6 | JA5 | FRDM-A-S32K356 | 02 | PRIMARY SILKSCREEN | QUETZAL
L2_GND_1: 05 | L2_GND_1
L3_INT_1: 06 | L3_INT_1
L4_INT_2: 07 | L4_INT_2
L5_PWR_1: 08 | L5_PWR_1
XSECTION_CHART: *  SURFACE - AIR 0 MIL | *  DIELECTRIC - DRY_FILM_MASK 0.7 MIL | L1 TOP CONDUCTOR - 1/2OZ_COPPER 0.7 MIL | *  DIELECTRIC - SH1000HB 3.22 MIL | L2 L2_GND_1 PLANE - 1OZ_COPPER 1.4 MIL | *  DIELECTRIC - SH1000H 19.685 MIL | L3 L3_INT_1 CONDUCTOR - 1OZ_COPPER 1.4 MIL | *  DIELECTRIC - SH1000HB 4.252 MIL | L4 L4_INT_2 PLANE - 1OZ_COPPER 1.4 MIL | L5 L5_PWR_1 PLANE - 1OZ_COPPER 1.4 MIL | L6 BOTTOM CONDUCTOR - 1/2OZ_COPPER 0.7 MIL | DESIGN CROSS SECTION CHART | ___________________________ | TOTAL THICKNESS 58.462 MIL | 1-6
DIMENSION: SCALE: NONE | BOARD THICKNESS TOLERANCE +/-10% | NOT ALLOWING MECHANICAL CONTACT BETWEEN THEM TO AVOID SCRATCHES. | 22 | 19 | DETAIL | LAYER STACKUP | PRIMARY DATUM | GRID ORIGIN | CUTOUT | A
DISPLAY_TOP: 01 | PRIMARY PASTEMASK
DISPLAY_BOTTOM: 14 | SECONDARY PASTEMASK
User.14: OF 12
User.17: 22. THIS FAB_VIAFILL.ART SHOWS LOCATIONS OF VIA-IN-PAD TO BE FILLED. | 1/1 | 2
User.18: 24. | 1/1 | 3 | FAB SUPPLIER: DISREGARD THIS PAGE IF BACKDRILL REQUIRMENT IS NOT PROVIDED.
User.24: A
User.27: Trace Width | (Mils) | Trace Spacing | "Airgap" | Impedance | (Ohms) | L6_SS | L4_INT_2 | 4.65 | 5.0 | 50 | N.A. | 5.00 | 8.5 | 90 | 4.10 | 9.90 | 100 | Differential
User.28: TOP TO LAYER X | BACK DRILL REFERENCE | BOTTOM TO LAYER X | LAYER X | MUST CUT LAYER | LAYER X+1 | MUST NOT CUT LAYER | LAYER X-1
User.31: FIGURE | SIZE | 8.0 | 8.1 | 10.0 | 10.1 | 12.0 | 12.1 | 26.0 | 28.0 | 35.0 | 38.0 | 40.0 | 44.0 | 45.0 | 22.0 | 37.0 | 100.0 | 118.0 | 47.0x24.0 | 63.0x24.0 | 75.0x24.0 | 87.0x28.0 | 111.0x32.0 | 122.0x32.0 | DRILL CHART: TOP to BOTTOM | ALL UNITS ARE IN MILS | TOLERANCE | +0.0/-8.0 | +0.0/-8.1 | +0.0/-10.0 | +0.0/-10.1 | +0.0/-12.0 | +0.0/-12.1 | +2.0/-2.0 | +3.0/-3.0 | +2.0/-0.0 | PLATED | NON-PLATED | QTY | 937 | 76 | 138 | 35 | 8 | 4 | 10 | 6 | 12 | 3 | 36 | 134 | 2 | 1
